# Altium PCB STM32_Controller.PcbDoc (continued)
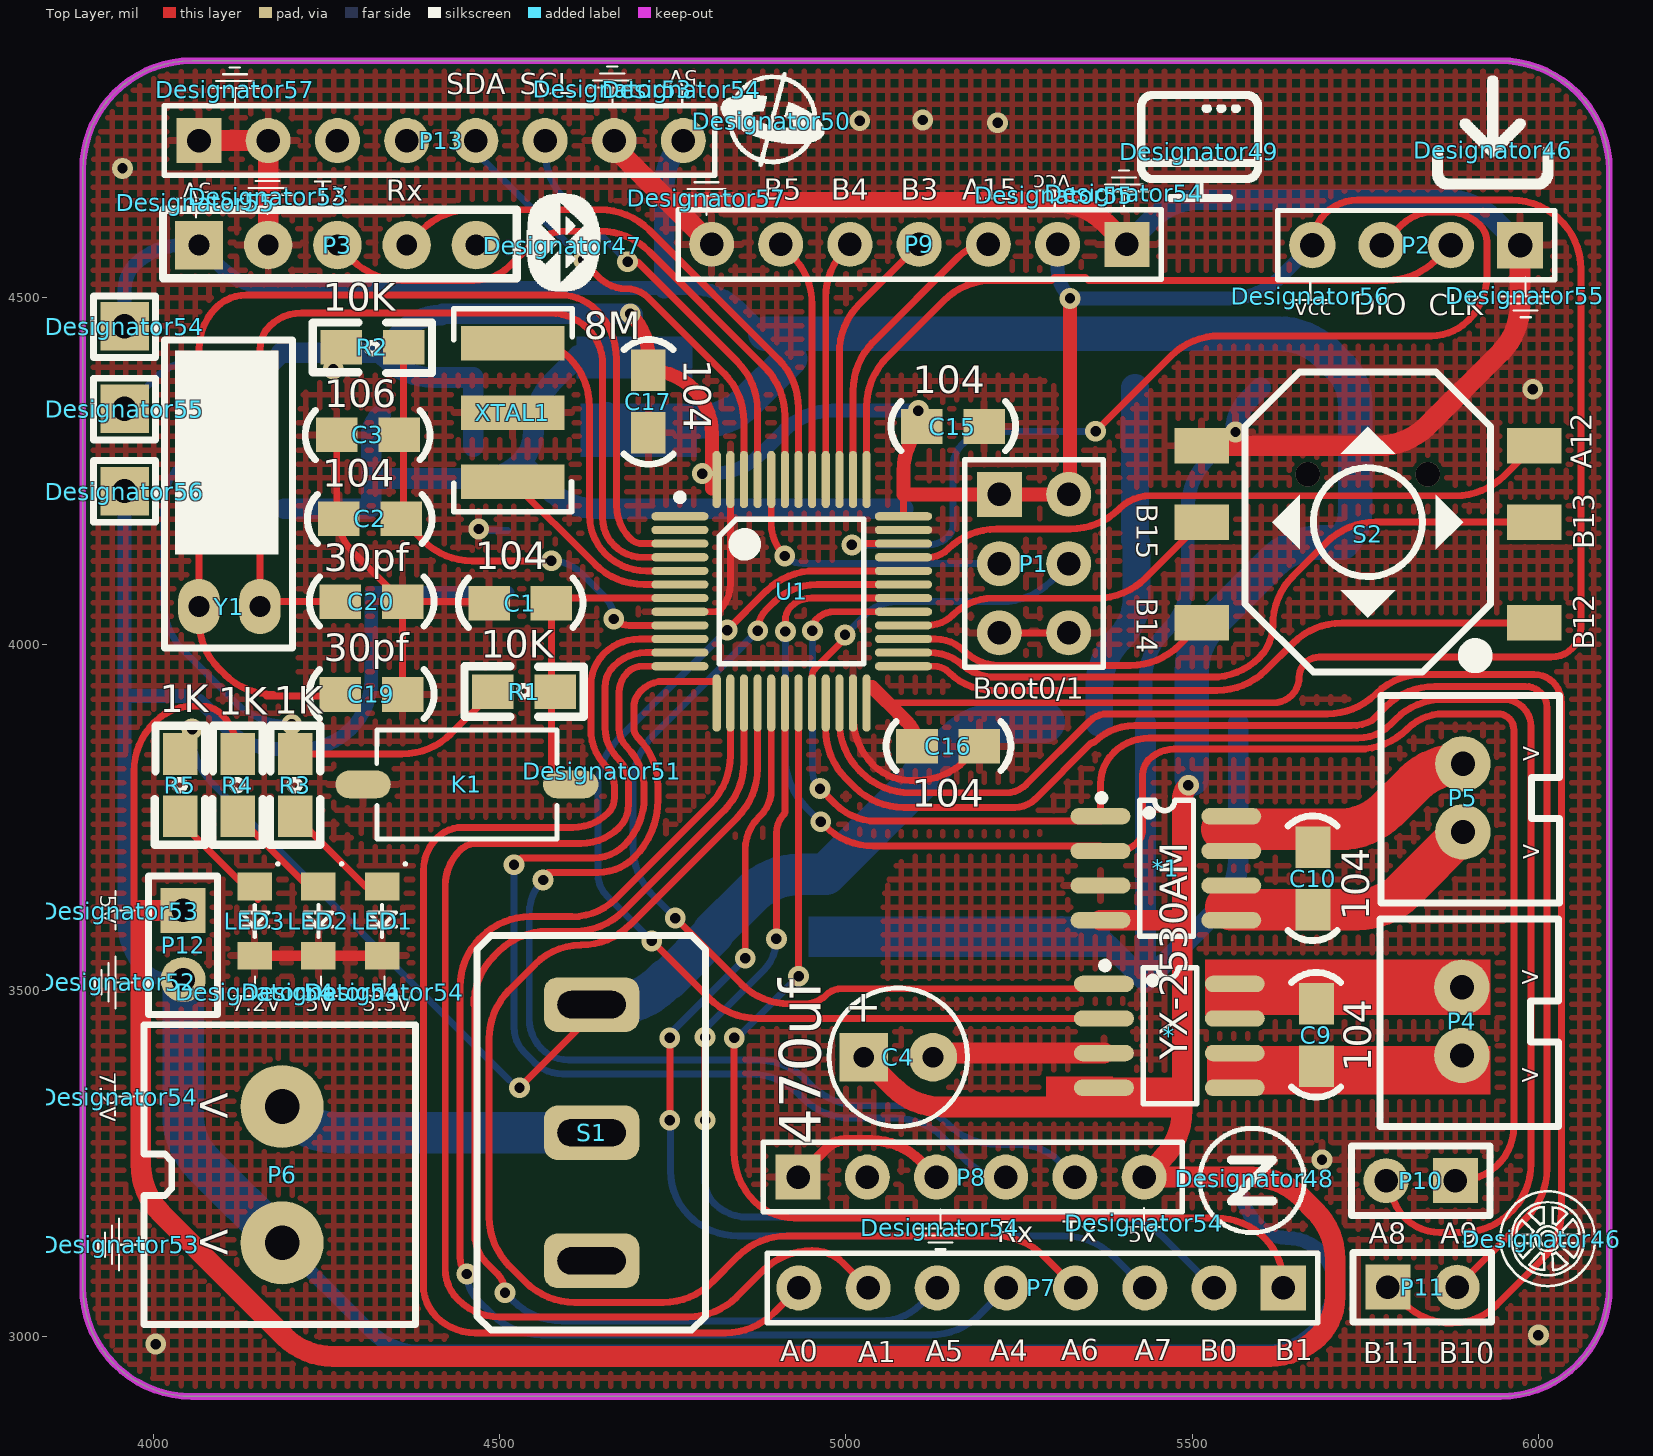
[diagram p0: Top Layer view]
## Nets (pads, with @x,y where several pads share a name; then routed paths per layer and width w, separated by ;. In a path a pad name is that pad's centre, name@x,y a point inside that pad or via, vN(x,y) a via of type N, cw(c..) or ccw(c..) an arc to the next point about the centre after c; other vN are vias at no path point) (continued)
  Bottom Layer w20: Designator54.1 3958,4511.79 cw(c4009.21,4511.79) 3973,4548 cw(c4041.38,4479.62) 4041.38,4576.32 P3.1 4098.29,4543.55 ccw(c4169,4614.26) 4169,4514.26 4737.52,4514.26 4776.1,4514.26 cw(c4776.1,4414.26) 4846.81,4484.97 4883.52,4448.26 C11.1
  Bottom Layer w30: U3.4 U3.3 U3.3@4655.19,4334.86 ; 4737.52,4514.26 4737.52,4660.61 cw(c4831.77,4660.61) P13.8
  Bottom Layer w50: C12.2 4787.1,4321.26 ccw(c4787.1,4421.26) 4857.81,4350.55 C11.1 ; C11.1@4883.52,4448.26 5625.1,4448.26 cw(c5625.1,4350.67) 5694.1,4419.68 5712.59,4401.19 cw(c5657.25,4345.84) 5735.52,4345.84 5735.52,4192.3 cw(c5671.03,4192.3) L1.2 5685.46,4146.7 ccw(c5685.46,4046.7) 5614.75,4117.41 5528.74,4031.4 ccw(c5599.45,3960.69) 5499.45,3960.69 U2.4 v1@5499.45,3805.26
  other v1: 5494.52,3796.26
7.2V: C6.1 C7.2 R5.1 S1.3 U2.1 | length 1667.4
  Top Layer w10: v1(4528.52,3359.26) 4621.18,3451.92 ccw(c4593.8,3479.3) S1.3
  Bottom Layer w10: v1(4055.52,3877.26) 4055.52,3869.68 ccw(c4155.52,3869.68) 4084.81,3798.97 4513.52,3370.26
  Bottom Layer w60: S1.3 4662.14,3479.3 ccw(c4662.14,3579.3) 4732.85,3508.59 4740.52,3516.26 4743.3,3516.26 4808.52,3581.48 4808.52,3584.26 4862.23,3637.97 cw(c4932.94,3567.26) 4932.94,3667.26 C7.2 C6.1@5105.88,3802.62 ; C6.1@5105.89,3802.63 ccw(c5099.51,3808.99) C6.1 5157.5,3857.97 cw(c5228.21,3787.26) 5228.21,3887.26 U2.1@5286.52,3887.26
ADC12_IN0: P7.8 U1.10 | length 1872.9
  Top Layer w10: U1.10 4701.47,4007.36 ccw(c4701.47,3935.31) 4650.52,3986.26 ccw(c4696.39,3940.39) 4631.52,3940.39 4631.52,3876.37 ccw(c4706.63,3876.37) 4653.52,3823.26 cw(c4624.55,3794.29) 4665.52,3794.29 4665.52,3777.99 cw(c4634.79,3777.99) 4656.52,3756.26 cw(c4605.82,3806.96) 4605.82,3735.26 4445.73,3735.26 ccw(c4445.73,3684.05) 4409.52,3720.26 ccw(c4457.8,3671.98) 4389.52,3671.98 4389.52,3074.13 ccw(c4454.39,3074.13) 4408.52,3028.26 ccw(c4464.05,3083.79) 4464.05,3005.26 4825.67,3005.26 ccw(c4825.67,3105.26) 4896.38,3034.55 P7.8
ADC12_IN1: P7.7 U1.11 | length 1898.2
  Top Layer w10: U1.11 4711.4,3987.68 ccw(c4711.4,3921.38) 4664.52,3968.26 ccw(c4694.96,3937.82) 4651.91,3937.82 4651.91,3879.29 ccw(c4713.67,3879.29) 4670,3835.62 cw(c4631.42,3797.04) 4685.98,3797.04 4685.98,3768.26 cw(c4638.81,3768.26) 4672.16,3734.9 cw(c4617.5,3789.57) 4617.5,3712.26 4466.66,3712.26 ccw(c4466.66,3678.12) 4442.52,3702.26 ccw(c4494.07,3650.71) 4421.17,3650.71 4421.17,3097.57 ccw(c4483.83,3097.57) 4439.52,3053.26 ccw(c4499.88,3113.62) 4499.88,3028.26 4772.1,3028.26 ccw(c4772.1,3128.26) 4842.81,3057.55 4880.23,3094.97 cw(c4950.94,3024.26) 4950.94,3124.26 cw(c4950.94,3059.56) 4996.69,3105.31 P7.7
ADC12_IN4: P7.5 U1.14 | length 1899.4
  Top Layer w10: v1(4452.52,3090.26) cw(c4476.66,3114.4) 4442.52,3114.4 4442.52,3504.84 cw(c4542.52,3504.84) 4471.81,3575.55 4473.23,3576.97 cw(c4543.94,3506.26) 4543.94,3606.26 4604.52,3606.26 ccw(c4604.52,3695.59) 4667.68,3632.42 4803.65,3768.39 ccw(c4732.94,3839.1) 4832.94,3839.1 U1.14
  Bottom Layer w10: v1(4452.52,3090.26) ccw(c4505.63,3090.26) 4468.08,3052.7 4489.23,3031.55 ccw(c4559.94,3102.26) 4559.94,3002.26 5122.47,3002.26 ccw(c5122.47,3102.26) 5193.18,3031.55 P7.5
ADC12_IN5: P7.6 U1.15 | length 1735
  Top Layer w10: v1(4507.52,3063.26) ccw(c4468.5,3063.26) 4496.1,3090.84 4481.09,3105.85 cw(c4522.5,3147.26) 4463.94,3147.26 4463.94,3477.42 4462.52,3478.84 cw(c4562.52,3478.84) 4491.81,3549.55 4498.23,3555.97 cw(c4568.94,3485.26) 4568.94,3585.26 4608.1,3585.26 ccw(c4608.1,3685.26) 4678.81,3614.55 4823.33,3759.07 ccw(c4752.62,3829.78) 4852.62,3829.78 U1.15
  Bottom Layer w10: v1(4507.52,3063.26) 4519.23,3051.55 ccw(c4589.94,3122.26) 4589.94,3022.26 5049.52,3022.26 ccw(c5049.52,3105.24) 5108.19,3046.56 P7.6
ADC12_IN6: P7.4 U1.16 | length 1904.5
  Top Layer w10: U1.16 4872.31,3820.47 cw(c4772.31,3820.47) 4843.02,3749.76 4687.81,3594.55 cw(c4617.1,3665.26) 4617.1,3565.26 ccw(c4617.1,3472.12) 4551.24,3537.98 4513.81,3500.55 ccw(c4584.52,3429.84) 4484.52,3429.84 4484.52,3172.68 ccw(c4584.52,3172.68) 4513.81,3101.97 4537.23,3078.55 ccw(c4607.94,3149.26) 4607.94,3049.26 4736.1,3049.26 ccw(c4736.1,3149.26) 4806.81,3078.55 4844.23,3115.97 cw(c4914.94,3045.26) 4914.94,3145.26 5214.93,3145.26 cw(c5214.93,3045.26) 5285.64,3115.97 P7.4
ADC12_IN7: P7.3 U1.17 | length 1495.6
  Top Layer w10: v1(4745.52,3312.26) v1(4745.52,3431.26) ; v1(4854.52,3546.26) 4854.52,3703.26 cw(c4919.7,3703.26) 4873.61,3749.35 4876.52,3752.26 ccw(c4839.17,3789.61) 4891.99,3789.61 U1.17
  Bottom Layer w10: v1(4745.52,3312.26) cw(c4743.11,3309.85) 4746.52,3309.85 4746.52,3239.03 ccw(c4837.72,3239.03) 4773.23,3174.55 ccw(c4843.94,3245.26) 4843.94,3145.26 5314.93,3145.26 cw(c5314.93,3045.26) 5385.64,3115.97 P7.3 ; v1(4745.52,3431.26) cw(c4760.01,3431.26) 4749.75,3441.49 v1(4854.52,3546.26)
ADC12_IN8: P7.2 U1.18 | length 1534.5
  Top Layer w10: v1(4796.52,3312.26) v1(4796.52,3432.26) ; v1(4899.52,3574.26) 4899.52,3726.81 cw(c4939.95,3726.81) 4911.36,3755.4 ccw(c4894.07,3758.71) 4911.68,3758.71 U1.18
  Bottom Layer w10: v1(4796.52,3312.26) 4796.52,3223.64 ccw(c4840.9,3223.64) 4809.52,3192.26 ccw(c4857.8,3240.54) 4857.8,3172.26 5387.93,3172.26 cw(c5387.93,3072.26) 5458.64,3142.97 P7.2 ; v1(4796.52,3432.26) 4796.52,3444.26 4880.43,3528.17 ccw(c4834.34,3574.26) v1(4899.52,3574.26)
ADC12_IN9: P7.1 U1.19 | length 1598.3
  Top Layer w10: v1(4838.52,3431.26) 4838.52,3265.68 ccw(c4938.52,3265.68) 4867.81,3194.97 ccw(c4925.05,3252.21) 4925.05,3171.26 5534.1,3171.26 cw(c5534.1,3071.26) 5604.81,3141.97 cw(c5540.32,3077.49) 5631.52,3077.49 P7.1 ; v1@4931.36,3520.26 U1.19
  Bottom Layer w10: v1(4838.52,3431.26) ccw(c4838.52,3440.92) 4845.35,3434.09 v1(4931.52,3520.26)
AGND: C6.2 C7.1 C8.2 C11.2 C12.1 C13.1 C14.2 D1.1 LED1.2 LED2.2 LED3.2 P2.1 P3.2 P8.1 P8.3 P9.1 P9.7 P13.1 P13.2 P13.7 R6.1 S2.6 U2.3 U2.5 U2.6 U3.1 U3.2 | length 5699.7
  Top Layer w15: LED3.2 LED2.2 LED1.2 ; P8.1 4973.25,3272.79 cw(c4998.52,3247.52) 4998.52,3283.26 5036.3,3283.26 cw(c5036.3,3183.26) 5107.01,3253.97 P8.3
  Top Layer w30: P13.1 P13.2 P3.2 ; P13.7 ccw(c4687.37,4727.26) 4671.64,4711.53 4745.22,4637.96 ; P9.7 4745.22,4637.96 ; P9.1 5374.11,4608.67 ccw(c5303.4,4537.96) 5303.4,4637.96 4745.22,4637.96 ; S2.6@5516.85,4294.59 ccw(c5525.03,4286.41) S2.6 5769.25,4286.41 ccw(c5769.25,4386.41) 5839.96,4315.7 5944.23,4419.97 ccw(c5873.52,4490.68) 5973.52,4490.68 P2.1
  Bottom Layer w20: U2.3 5432.52,3948.1 cw(c5532.52,3948.1) 5461.81,4018.81 5464.23,4021.23 ccw(c5393.52,4091.94) 5493.52,4091.94 5493.52,4195.84 cw(c5593.52,4195.84) 5522.81,4266.55 v1(5562.52,4306.26)
  Bottom Layer w30: C14.2 4307.72,4195.53 ccw(c4307.72,4204.86) 4314.31,4198.26 4314.31,4239.26 ; C13.1 ccw(c4359.4,4298.74) 4314.31,4298.74 4314.31,4239.26 ; 4613.52,4417.26 cw(c4611.11,4417.26) 4612.81,4415.55 4577.81,4380.55 ccw(c4648.52,4309.84) 4548.52,4309.84 4548.52,4306.72 cw(c4487.06,4306.72) 4530.52,4263.26 ; C7.1 5071.31,3577.26 ccw(c5071.31,3628.47) C6.2 ; C8.2 C11.2 4639.67,4195.53 cw(c4639.67,4295.53) 4568.96,4224.82 4530.52,4263.26 ; U2.6@5311.1,3592.26 cw(c5311.1,3492.26) 5381.81,3562.97 U2.6 ; P9.1 5441.23,4612.97 cw(c5511.94,4542.26) 5511.94,4642.26 5866.1,4642.26 cw(c5866.1,4542.26) 5936.81,4612.97 P2.1 ; U2.3 U2.6 ; v1(5562.52,4306.26) cw(c5630.12,4306.26) 5582.32,4354.06 D1.1 ; U2.5 5566.38,3687.54 cw(c5466.38,3687.54) 5537.09,3616.83 U2.6 ; 4314.31,4239.26 4472.58,4239.26 ccw(c4472.58,4321.2) 4530.52,4263.26
  other v1: 4003,2989 6000,3002 5992,4368 3955,4687 5219,4753 5020,4756 5111,4757
BOOT0: P1.3 U1.44 | length 428.6
  Top Layer w10: U1.44 4891.99,4174.4 ccw(c4958.66,4174.4) v1(4911.52,4127.26)
  Bottom Layer w10: v1(4911.52,4127.26) ccw(c4938.08,4153.82) 4938.08,4116.26 P1.3
BOOT1: P1.4 U1.20 | length 485.5
  Top Layer w10: U1.20 4951.05,3953.05 cw(c4969.73,3953.05) 4956.52,3966.26 4998.52,4008.26 v1(4998.52,4013.26)
  Bottom Layer w10: v1@4995.52,4021.68 4998.52,4018.68 v1(4998.52,4013.26) 5027.13,4041.87 cw(c5073.94,3995.06) 5073.94,4061.26 5225.1,4061.26 ccw(c5225.1,4161.26) 5295.81,4090.55 P1.4
DGND: C1.1 C2.2 C3.2 C15.2 C16.2 C17.2 C19.2 C20.2 K1.2 P1.5 P1.6 R7.1 U1.8 U1.23 U1.35 U1.47 XTAL1.3 | length 1239.2
  Top Layer w10: C3.2 4264.52,4188.5 ccw(c4274.76,4188.5) C2.2 ccw(c4335.12,4181.26) 4287.32,4133.46 C20.2 ; C19.2 C20.2 ; C1.1 ccw(c4479.69,4054.43) 4479.69,4061.26 C20.2 ; U1.8 4811.42,4046.73 ccw(c4811.42,4055.36) 4817.52,4049.26 ccw(c4780.3,4086.48) 4832.94,4086.48 U1.47 ; U1.23 5010.1,3896.1 ccw(c5110.1,3896.1) 5039.39,3825.39 ccw(c5092.81,3878.81) 5092.81,3803.26 5102.1,3803.26 ccw(c5102.1,3903.26) 5172.81,3832.55 C16.2 ; U1.35 U1.35@5119.96,4164.84 ; P1.5 P1.6
  Bottom Layer w10: v1(4469.52,4166.26) ccw(c4475.53,4172.27) 4475.53,4163.77 R7.1
GND: Designator56.1 P6.2 P12.2 R6.2 R7.2 R8.2 | length 3813.6
  Bottom Layer w20: Designator56.1 3958,3926 ; P12.2 4021.59,3515.26 cw(c4021.59,3565.59) 3986,3530 cw(c4053.6,3597.6) 3958,3597.6 3958,3926 ; P6.2 4313.23,3007.55 ccw(c4383.94,3078.26) 4383.94,2978.26 5605.1,2978.26 ccw(c5605.1,3078.26) 5675.81,3007.55 ccw(c5606.5,3076.86) 5704.52,3076.86 ccw(c5640.79,3076.86) 5685.85,3121.93 ccw(c5636.76,3072.83) 5636.76,3142.26 cw(c5636.76,3195.96) 5598.79,3157.99 5593.98,3162.8 cw(c5655.43,3224.26) R8.2 ; R7.2 R6.2 4314.31,3948.48 cw(c4214.31,3948.48) 4285.03,3877.77 4284.81,3877.55 cw(c4214.1,3948.26) 4214.1,3848.26 4177.94,3848.26 cw(c4177.94,3948.26) 4107.23,3877.55 4070.83,3913.95 ccw(c4043.52,3886.63) 4043.52,3925.26 3959.79,3925.26 cw(c3959.79,3927.79) 3958,3926
  Bottom Layer w60: P12.2 4042.52,3319.68 ccw(c4142.52,3319.68) 4071.81,3248.97 P6.2
I2C1_SCL: P13.6 U1.45 | length 616.3
  Top Layer w10: v1(4684.52,4552.26) 4698.52,4552.26 4843.02,4407.76 cw(c4772.31,4337.05) 4872.31,4337.05 U1.45
  Bottom Layer w10: P13.6 4565.32,4712.88 ccw(c4665.32,4712.88) 4594.61,4642.17 v1(4684.52,4552.26)
I2C1_SDA: P13.5 U1.46 | length 663.3
  Top Layer w10: v1@4619.02,4553.76 4643.26,4529.52 ccw(c4682.52,4568.79) 4682.52,4513.26 cw(c4682.52,4467.39) 4714.95,4499.82 4823.33,4391.45 cw(c4752.62,4320.74) 4852.62,4320.74 U1.46
  Bottom Layer w10: P13.5 ccw(c4505.89,4727.26) 4477.2,4698.58 v1(4620.52,4555.26)
KEY0: S2.1 U1.25 | length 951.8
  Top Layer w10: U1.25 5127.44,3967.99 cw(c5127.44,3938.18) 5148.52,3959.26 ccw(c5211.29,4022.03) 5211.29,3933.26 5536.1,3933.26 ccw(c5536.1,4033.26) 5606.81,3962.55 5645.48,4001.22 cw(c5716.19,3930.51) 5716.19,4030.51 S2.1
KEY1: S2.2 U1.26 | length 1037
  Top Layer w10: U1.26 5120.81,3987.68 cw(c5120.81,3914.55) 5161.77,3975.13 ccw(c5216.99,4030.36) 5216.99,3952.26 5528.22,3952.26 ccw(c5528.22,4049.54) 5597.01,3980.75 ccw(c5549.92,4027.85) 5616.52,4027.85 cw(c5716.5,4027.85) 5645.8,4098.54 5694.15,4146.89 cw(c5764.86,4076.18) 5764.86,4176.18 S2.2
KEY2: S2.3 U1.33 | length 960.2
  Top Layer w10: U1.33 5119.06,4125.47 ccw(c5119.06,4165.72) 5147.52,4137.26 cw(c5217.53,4067.25) 5217.53,4166.26 5324.1,4166.26 ccw(c5324.1,4266.26) 5394.81,4195.55 cw(c5439.98,4150.38) 5439.98,4214.26 5880.2,4214.26 ccw(c5880.2,4314.26) 5950.91,4243.55 S2.3
KEY3: S2.4 U1.27 | length 439.2
  Top Layer w10: U1.27@5105.52,4007.36 5129.23,4007.36 cw(c5129.23,3948.97) 5170.52,3990.26 ccw(c5221.22,4040.96) 5221.22,3969.26 5410.79,3969.26 ccw(c5410.79,4069.26) 5481.5,3998.55 S2.4
KEY4: S2.5 U1.28 | length 482.2
  Top Layer w10: U1.28 5117.79,4027.05 ccw(c5117.79,4078.99) 5154.52,4042.26 cw(c5212.46,3984.32) 5212.46,4066.26 5362.12,4066.26 ccw(c5362.12,4166.26) 5432.83,4095.55 S2.5
Net*1_5: *1.5 *1.6 C10.1 P5.1 | length 385.8
  Top Layer w60: 5548.52,3620.26 ccw(c5558.18,3629.92) 5558.18,3616.26 C10.1 5737.12,3616.26 ccw(c5737.12,3716.26) 5807.83,3645.55 P5.1
Net*1_7: *1.7 *1.8 C10.2 P5.2 | length 379.1
  Top Layer w60: 5542.52,3732.26 5712.1,3732.26 ccw(c5712.1,3832.26) 5782.81,3761.55 5819.07,3797.81 cw(c5889.78,3727.1) 5889.78,3827.1 P5.2
Net*_5: *.5 *.6 C9.1 P4.1
Net*_7: *.7 *.8 C9.2 P4.2
NetC2_1: C2.1 C3.1 R2.2 U1.9 | length 715.5
  Top Layer w10: R2.2 4361.01,4189.68 cw(c4349.1,4189.68) C2.1 4389.23,4149.55 ccw(c4459.94,4220.26) 4459.94,4120.26 v1(4574.52,4120.26) ; v1(4664.52,4036.26) ccw(c4686.76,4058.5) 4686.76,4027.05 U1.9
  Bottom Layer w10: v1(4574.52,4120.26) cw(c4574.52,4059.9) 4617.2,4102.58 4651.08,4068.69 cw(c4618.65,4036.26) v1(4664.52,4036.26)
NetD1_2: D1.2 L1.1 U2.2 | length 499
  Bottom Layer w40: U2.2 5365.59,3936.91 cw(c5465.59,3936.91) 5394.88,4007.62 ccw(c5335.13,4067.37) 5419.63,4067.37 L1.1 cw(c5424.97,4151.04) 5417.42,4151.04 D1.2
NetLED1_1: LED1.1 R3.2 | length 183.9
  Top Layer w10: R3.2@4219.74,3745.04 ccw(c4204.72,3730.03) R3.2 4306,3649.98 LED1.1
NetLED2_1: LED2.1 R4.2 | length 158.2
  Top Layer w10: R4.2 4223,3649.98 LED2.1
NetLED3_1: LED3.1 R5.2 | length 165.5
  Top Layer w10: R5.2 ccw(c4058.53,3751.26) 4044.53,3737.25 LED3.1@4150.52,3631.26
NRST: C1.2 K1.1 R1.1 U1.7 | length 442.5
  Top Layer w10: K1.1@4574.52,3804.26 C1.2 cw(c4591.8,4041.98) 4591.8,4066.42 U1.7
OLED_D0: P9.3 U1.38 | length 428.3
  Top Layer w10: U1.38 5010.1,4365.42 cw(c5110.1,4365.42) 5039.39,4436.13 5162.84,4559.58 cw(c5205.52,4516.9) P9.3
OLED_D1: P9.4 U1.39 | length 383
  Top Layer w10: U1.39 4990.42,4420.74 cw(c5090.42,4420.74) 5019.71,4491.45 P9.4
OLED_DC: P9.6 U1.41 | length 354.1
  Top Layer w10: P9.6 4921.76,4561.22 cw(c4851.05,4490.51) 4951.05,4490.51 U1.41
OLED_RES: P9.5 U1.40 | length 349.8
  Top Layer w10: U1.40 4970.73,4500.85 cw(c5070.73,4500.85) 5000.02,4571.56 P9.5
OSC32_IN: C19.1 U1.3 Y1.2 | length 1698.7
  Top Layer w10: 4162.94,3925.26 C19.1@4259.52,3925.26 ; 4172.94,3927.26 cw(c4172.94,4027.26) 4102.23,3956.55 4094.81,3963.97 cw(c4165.52,4034.68) 4065.52,4034.68 Y1.2 4065.52,4425.9 cw(c4150.88,4425.9) 4090.52,4486.26 cw(c4133.98,4442.8) 4133.98,4504.26 4586.82,4504.26 cw(c4586.82,4430.13) 4639.23,4482.55 cw(c4568.52,4411.84) 4668.52,4411.84 4668.52,4200.54 ccw(c4736.8,4200.54) 4688.52,4152.26 ccw(c4705.67,4169.41) 4705.67,4145.16 U1.3
OSC32_OUT: C20.1 U1.4 Y1.1 | length 1420.3
  Top Layer w10: C20.1 4170.42,4061.26 ccw(c4170.42,4037.36) Y1.1 4153.52,4425.46 cw(c4201.32,4425.46) 4167.52,4459.26 cw(c4213.39,4413.39) 4213.39,4478.26 4571.99,4478.26 cw(c4571.99,4399.73) 4627.52,4455.26 cw(c4576.82,4404.56) 4648.52,4404.56 4648.52,4182.01 ccw(c4704.27,4182.01) 4664.85,4142.59 ccw(c4706.17,4183.91) 4706.17,4125.47 U1.4
OSC_IN: U1.5 XTAL1.1 | length 498.6
  Top Layer w10: XTAL1.1 4550.23,4434.26 cw(c4550.23,4363.55) 4600.23,4413.55 cw(c4529.52,4342.84) 4629.52,4342.84 4629.52,4185.79 ccw(c4708.05,4185.79) 4652.52,4130.26 ccw(c4711.6,4189.34) 4711.6,4105.79 U1.5
OSC_OUT: U1.6 XTAL1.2 | length 298.6
  Top Layer w10: XTAL1.2 4637.39,4115.39 ccw(c4708.1,4186.1) 4708.1,4086.1 U1.6
PGND: *1.3 *.3 C4.2 R8.1 | length 250.4
  Top Layer w30: C4.2 cw(c5131.52,3403.26) 5131.52,3409.26 *.3
  other v1: 5687.52,3255.26
SWCLK: P2.2 U1.37 | length 1060.4
  Top Layer w10: U1.37 5029.79,4343.11 cw(c5129.79,4343.11) 5059.08,4413.82 5141.23,4495.97 cw(c5211.94,4425.26) 5211.94,4525.26 5297.09,4525.26 5301.09,4529.26 5345.95,4529.26 5349.95,4525.26 5781.1,4525.26 ccw(c5781.1,4625.26) 5851.81,4554.55 P2.2
SWDIO: P2.3 U1.34 | length 1462.5
  Top Layer w10: v1(5008.52,4143.26) cw(c5013.1,4138.68) 5013.1,4145.16 U1.34 ; v1(5360.52,4307.26) 5469.23,4415.97 cw(c5539.94,4345.26) 5539.94,4445.26 5845.41,4445.26 ccw(c5845.41,4520.37) 5898.52,4467.26 ccw(c5833.34,4532.44) 5925.52,4532.44 5925.52,4581.12 ccw(c5891.38,4581.12) 5915.52,4605.26 ccw(c5869.65,4559.39) 5869.65,4624.26 5848.52,4624.26 ccw(c5848.52,4559.08) 5802.43,4605.17 P2.3
  Bottom Layer w10: v1(5008.52,4143.26) 5118.31,4143.26 ccw(c5118.31,4184.82) 5147.69,4155.43 ccw(c5131.21,4171.92) 5154.52,4171.92 5154.52,4256.88 cw(c5198.9,4256.88) 5167.52,4288.26 5168.84,4289.58 cw(c5211.52,4246.9) 5211.52,4307.26 v1(5360.52,4307.26)
TIM1_CH1: *1.1 P10.2 U1.29 | length 2478.1
  Top Layer w10: v1(4951.52,4019.26) 4951.52,4021.77 cw(c4972.01,4021.77) 4957.52,4036.26 cw(c4982.8,4010.98) 4982.8,4046.73 U1.29 ; v1(4962.52,3791.26) 4985.18,3768.6 ccw(c5043.94,3827.36) 5043.94,3744.26 *1.1@5367.54,3744.26 ; *1.1 5367.54,3797.86 cw(c5431.33,3797.86) 5386.23,3842.97 cw(c5437.63,3791.56) 5437.63,3864.26 5739.65,3864.26 ccw(c5739.65,3929.13) 5785.52,3883.26 5793.43,3891.17 cw(c5863.66,3820.93) 5863.66,3920.26 5949.52,3920.26 cw(c5949.52,3880.26) 5989.52,3880.26 5989.52,3250.26 cw(c5889.52,3250.26) 5889.52,3150.26 5857.52,3150.26 cw(c5857.52,3221.25) 5786.53,3221.25 P10.2@5786.53,3225.45
  Bottom Layer w10: v1(4951.52,4019.26) 4951.52,3817.82 ccw(c4989.08,3817.82) v1(4962.52,3791.26)
TIM1_CH2: *1.2 P10.1 U1.30 | length 2343.7
  Top Layer w10: v1(4912.52,4018.26) 4912.52,4034.95 cw(c4939.83,4034.95) 4920.52,4054.26 cw(c4949.87,4024.91) 4949.87,4066.42 U1.30 ; v1(4963.52,3743.26) 4969.23,3737.55 ccw(c5039.94,3808.26) 5039.94,3708.26 *1.2@5367.54,3708.26 ; *1.2 5391.55,3701.26 ccw(c5391.55,3742.23) 5420.52,3713.26 ccw(c5401.21,3732.57) 5428.52,3732.57 5428.52,3811.53 cw(c5459.25,3811.53) 5437.52,3833.26 cw(c5473.73,3797.05) 5473.73,3848.26 5740.1,3848.26 ccw(c5740.1,3948.26) 5810.81,3877.55 cw(c5863.22,3825.13) 5863.22,3899.26 5941.52,3899.26 cw(c5941.52,3876.26) 5964.52,3876.26 5964.52,3303.44 cw(c5886.53,3303.44) P10.1@5886.53,3225.45
  Bottom Layer w10: v1(4912.52,4018.26) 4912.52,3835.68 ccw(c5012.52,3835.68) 4941.81,3764.97 v1(4963.52,3743.26)
TIM1_CH3: *.1 U1.31 | length 1422.1
  Top Layer w10: v1(4753.52,3604.26) 4848.23,3509.55 ccw(c4918.94,3580.26) 4918.94,3480.26 4940.13,3480.26 ccw(c4940.13,3524.64) 4971.52,3493.26 cw(c4993.25,3471.53) 4993.25,3502.26 *.1@5373.52,3502.26 ; v1(4872.52,4019.26) cw(c4915.98,4019.26) 4885.25,4049.99 4895.16,4059.9 cw(c4958.42,3996.63) 4958.42,4086.1 U1.31
  Bottom Layer w10: v1(4753.52,3604.26) 4721.81,3635.97 cw(c4792.52,3706.68) 4692.52,3706.68 4692.52,3797.84 cw(c4792.52,3797.84) 4721.81,3868.55 v1(4872.52,4019.26)
TIM1_CH4: *.2 U1.32 | length 1533
  Top Layer w10: v1(4719.52,3571.26) 4802.23,3488.55 ccw(c4872.94,3559.26) 4872.94,3459.26 *.2 ; v1(4828.52,4020.26) 4884.76,4076.5 cw(c4955.47,4005.79) 4955.47,4105.79 U1.32
  Bottom Layer w10: v1(4719.52,3571.26) 4655.62,3635.16 cw(c4689.66,3669.2) 4641.52,3669.2 4641.52,3791.84 cw(c4741.52,3791.84) 4670.81,3862.55 v1(4828.52,4020.26)
TIM2_CH3: P11.2 U1.21 | length 2105.8
  Top Layer w10: U1.21 4970.73,3876.47 ccw(c5070.73,3876.47) 5000.02,3805.76 5012.23,3793.55 ccw(c5082.94,3864.26) 5082.94,3764.26 5244.16,3764.26 ccw(c5244.16,3806.16) 5273.79,3776.53 5353.4,3856.14 cw(c5358.52,3851.02) 5358.52,3858.26 cw(c5416.46,3800.32) 5416.46,3882.26 5729.96,3882.26 ccw(c5729.96,3946.2) 5759.63,3889.56 5779.61,3909.54 cw(c5850.32,3838.83) 5850.32,3938.83 5981.58,3938.83 cw(c5981.58,3907.89) 6012.52,3907.89 6012.52,3792.66 ; P11.2 5983.23,3171.87 ccw(c5912.52,3242.58) 6012.52,3242.58 6012.52,3791.66
TIM2_CH4: P11.1 U1.22 | length 2296.5
  Top Layer w10: U1.22 4990.42,3887.78 ccw(c5090.42,3887.78) 5019.71,3817.07 5022.23,3814.55 ccw(c5092.94,3885.26) 5092.94,3785.26 5230.92,3785.26 ccw(c5230.92,3827.75) 5260.96,3797.7 5352.06,3888.8 cw(c5377.31,3863.54) 5377.31,3899.26 5695.1,3899.26 ccw(c5695.1,3999.26) 5749.36,3915.26 ccw(c5695.1,3999.26) 5765.81,3928.55 cw(c5832.71,3861.65) 5832.71,3956.26 5993.48,3956.26 cw(c5993.48,3916.65) 6033.09,3916.65 6033.09,3180.25 cw(c5933.09,3180.25) 6003.8,3109.54 5940.18,3045.92 cw(c5875.82,3110.27) 5875.82,3019.26 cw(c5875.82,3119.26) 5805.11,3048.55 P11.1
USART1_RX: P3.3 U1.43 | length 904
  Top Layer w10: P3.3 4287.29,4554.55 ccw(c4358,4625.26) 4358,4525.26 4462.41,4525.26 ccw(c4462.41,4600.37) 4515.52,4547.26 4542.6,4574.34 cw(c4595.52,4521.42) 4595.52,4596.26 4645.1,4596.26 cw(c4645.1,4496.26) 4715.81,4566.97 4882.39,4400.39 cw(c4811.68,4329.68) 4911.68,4329.68 U1.43
USART1_TX: P3.4 U1.42 | length 820.2
  Top Layer w10: P3.4 4387.17,4597.97 cw(c4457.88,4527.26) 4457.88,4627.26 4645.1,4627.26 cw(c4645.1,4527.26) 4715.81,4597.97 4902.07,4411.71 cw(c4831.36,4341) 4931.36,4341 U1.42
USART2_RX: P8.5 U1.13 | length 1577.8
  Top Layer w10: v1@4569.52,3670.26 4642.36,3670.26 ccw(c4642.36,3743.07) 4693.85,3691.58 ccw(c4610.11,3775.31) 4728.52,3775.31 4728.52,3794.35 ccw(c4628.52,3794.35) 4699.23,3865.06 cw(c4713.02,3878.85) 4693.52,3878.85 4693.52,3908.26 cw(c4727.32,3908.26) 4703.42,3932.16 4704.08,3932.82 cw(c4736.52,3900.39) 4736.52,3946.26 U1.13@4807.52,3946.26
  Bottom Layer w10: v1(4562.52,3659.26) ccw(c4610.8,3610.98) 4542.52,3610.98 4542.52,3458.72 ccw(c4603.98,3458.72) 4560.52,3415.26 ccw(c4599.15,3453.89) 4599.15,3399.26 4872.1,3399.26 cw(c4872.1,3299.26) 4942.81,3369.97 4950.23,3362.55 ccw(c5020.94,3433.26) 5020.94,3333.26 5082.75,3333.26 cw(c5082.75,3242.06) 5147.23,3306.55 ccw(c5217.94,3377.26) 5217.94,3277.26 5248.94,3277.26 cw(c5248.94,3193.78) 5307.97,3252.81 P8.5
USART2_TX: P8.4 U1.12 | length 1544
  Top Layer w10: v1@4530.52,3691.26 4636.06,3691.26 ccw(c4636.06,3753.14) 4679.82,3709.38 ccw(c4610.52,3778.68) 4708.52,3778.68 4708.52,3790.27 ccw(c4621.61,3790.27) 4683.06,3851.73 cw(c4709.04,3877.71) 4672.3,3877.71 4672.3,3929.77 cw(c4714.01,3929.77) 4684.52,3959.26 cw(c4705.6,3938.18) 4705.6,3967.99 U1.12
  Bottom Layer w10: v1(4520.52,3681.26) 4520.52,3446.26 ccw(c4571.22,3446.26) 4535.37,3410.41 4549.54,3396.24 ccw(c4590.84,3437.54) 4590.84,3379.13 4861.23,3379.13 cw(c4861.23,3279.13) 4931.94,3349.84 4937.23,3344.55 ccw(c5007.94,3415.26) 5007.94,3315.26 5071.08,3315.26 cw(c5071.08,3215.26) 5141.79,3285.97 5174.02,3253.75 ccw(c5230.72,3310.45) P8.4 cw(c5230.72,3250.05) P8.4@5216.72,3236.06
VCC: P6.1 S1.2 | length 458.4
  Bottom Layer w60: P6.1 4194.08,3323.55 ccw(c4264.79,3394.26) 4264.79,3294.26 S1.2
pads on no net: P3.5 P8.2 P13.3 P13.4 S1.1 U1.1 U1.2 U3.8
copper on no net:
  other v2: 5667.01,4245.07 5840.23,4245.07

## Polygon pours and split planes (outlines as drawn)
DGND on Top Layer "Top Layer-No Net" (hatched 90Degree grid 20 track 8, pour order 0): 4209,4326 4209,3856.42 ccw(c4309,3856.42) 4238.29,3785.71 4288,3736 ccw(c4324.21,3772.21) 4324.21,3721 5251,3721 ccw(c5251,3815.15) 5317.58,3748.58 5338,3769 5365.71,3796.71 ccw(c5295,3867.42) 5395,3867.42 5395,4071 5395,4240.58 ccw(c5295,4240.58) 5365.71,4311.29 5338,4339 5318.29,4358.71 ccw(c5247.58,4288) 5247.58,4388 5029,4388 4285.01,4388 ccw(c4285.01,4288.99) 4215,4359
PGND on Top Layer "Top Layer-No Net" (hatched 90Degree grid 20 track 8, pour order 2): 5054,3634 5054,3324 5054,3304.42 ccw(c5154,3304.42) 5083.29,3233.71 5147,3170 ccw(c5183.21,3206.21) 5183.21,3155 5777,3155 5895.58,3155 ccw(c5895.58,3255) 5966.29,3184.29 5985,3203 ccw(c5934.3,3253.7) 6006,3253.7 6006,3869 5980.29,3894.71 ccw(c5909.58,3824) 5909.58,3924 5906,3924 5569.68,3924 ccw(c5569.68,3824) 5498.97,3894.71 5437.52,3833.26 ccw(c5482.23,3788.55) 5419,3788.55 5419,3721 cw(c5361.06,3778.94) 5361.06,3697 5322,3697 5118.7,3697 ccw(c5118.7,3625.3) 5068,3676
AGND on Top Layer "Top Layer-No Net" (hatched 90Degree grid 20 track 8, remove dead copper, pour order 8): 4055.12,4842.52 5944.88,4842.52 6002.36,4842.52 cw(c6002.36,4742.52) 6102.36,4742.52 6102.36,4685.04 6102.36,3078 6103,3078 6103,3013.39 cw(c6003,3013.39) 6003,2913.39 5944.88,2913.39 3997.64,2913.39 cw(c3997.64,3013.39) 3897.64,3013.39 3897.64,3091 3897.64,4742.52 cw(c3997.64,4742.52) 3997.64,4842.52 4055.12,4842.52
AGND on Bottom Layer "Top Layer-No Net" (hatched 90Degree grid 20 track 8, remove dead copper, pour order 10): 4055.12,4842.52 6002.36,4842.52 cw(c6002.36,4742.52) 6102.36,4742.52 6102.36,4629 6102.36,3013.39 cw(c6002.36,3013.39) 6002.36,2913.39 5894,2913.39 3997,2913.39 cw(c3997,3013.39) 3897,3013.39 3897,3194 3897,4742.52 cw(c3997,4742.52) 3997,4842.52 4061,4842.52

## Keep-outs
Keep-Out Layer:
  the board outline again, w10

## Other copper
Top Layer:
  rectangle net 5V: 5288.52,3334.26 5385.52,3375.26
  rectangle net Net*_5: 5521.52,3349.26 5930.52,3419.26
  rectangle net Net*_7: 5518.52,3464.26 5930.52,3544.26
Bottom Layer:
  rectangle net AGND: 4945.52,3548.26 5381.52,3606.26
  rectangle net AGND: 4610.52,4383.26 4778.52,4444.26
  rectangle net 5V: 4616.52,4270.26 4784.52,4347.26

## Silkscreen, mask and mechanical layers (free items; w line width, h text height)
Top Overlay:
  text "SDA" at 4423,4794 h30
  text "SCL" at 4529,4794 h30
  text "B5" at 4881,4642 h30
  text "B4" at 4979,4642 h30
  text "B3" at 5079,4642 h30
  text "A15" at 5168,4642 h30
  text "Rx" at 4336,4640 h30
  text "Tx" at 4232,4639 h30
  text "DIO" at 5733,4476 h30
  text "CLK" at 5842,4475 h30
  text "A12" at 6077,4253 h30 r90
  text "B15" at 5420,4203 h30 r270
  text "B13" at 6081,4137 h30 r90
  text "B14" at 5420,4067 h30 r270
  text "B12" at 6081,3992 h30 r90
  text "Boot0/1" at 5183,3921 h30
  text "Tx" at 5313,3137 h30
  text "Rx" at 5218,3136 h30
  text "A8" at 5755,3134 h30
  text "A9" at 5858,3134 h30
  text "A6" at 5311,2966 h30
  text "A7" at 5417,2966 h30
  text "B1" at 5620,2966 h30
  text "A4" at 5208,2965 h30
  text "B0" at 5511,2965 h30
  text "A0" at 4905,2964 h30
  text "A5" at 5115,2964 h30
  text "A1" at 5018,2963 h30
  text "B11" at 5747,2961 h30
  text "B10" at 5856,2961 h30
Bottom Overlay:
  text "5V" at 4038,4437 h30 r90
  text "3.3V" at 4038,4290 h30 r90
  text "GND" at 4038,4184 h30 r90

## Text inside footprints (layer, text, board x,y; h text height)
C4: Top Overlay "+" at 5051.52,3439.26 h78.74
Designator51: Bottom Overlay "协" at 4655.9,3750.74 h30; Bottom Overlay "电" at 4618.9,3750.74 h30; Bottom Overlay "大" at 4691.9,3785.74 h30; Bottom Overlay "集" at 4586.9,3785.74 h30; Top Solder "集" at 4586.9,3785.74 h30; Top Solder "大" at 4691.9,3785.74 h30; Top Solder "电" at 4618.9,3750.74 h30; Top Solder "协" at 4655.9,3750.74 h30
Designator53: Top Overlay "5V" at 3915,3638 h40 r270
Designator54: Top Overlay "5V" at 4786,4837 h40 r180
Designator54: Top Overlay "7.2V" at 3914,3382 h40 r270
Designator54: Top Overlay "5V" at 5408,3128 h40
Designator54: Top Overlay "5V" at 4219,3462 h40
Designator54: Top Overlay "7.2V" at 4112,3462 h40
Designator54: Top Overlay "3.3V" at 4301,3462 h40
Designator55: Top Overlay "5V" at 4084,4674 h40 r180
Designator55: Top Overlay "vcc" at 5324,4685 h40 r180
Designator56: Top Overlay "vcc" at 5648,4467 h40
P4: Top Overlay "V" at 6007.63,3366.46 h40 r90; Top Overlay "V" at 6007.63,3508.2 h40 r90
P5: Top Overlay "V" at 6009.07,3689.31 h40 r90; Top Overlay "V" at 6009.07,3831.04 h40 r90
P6: Top Overlay "V" at 4067.41,3154.95 h40 r270; Top Overlay "V" at 4067.41,3351.8 h40 r270